# KiCad board Thermal_Camera.kicad_pcb (continued)
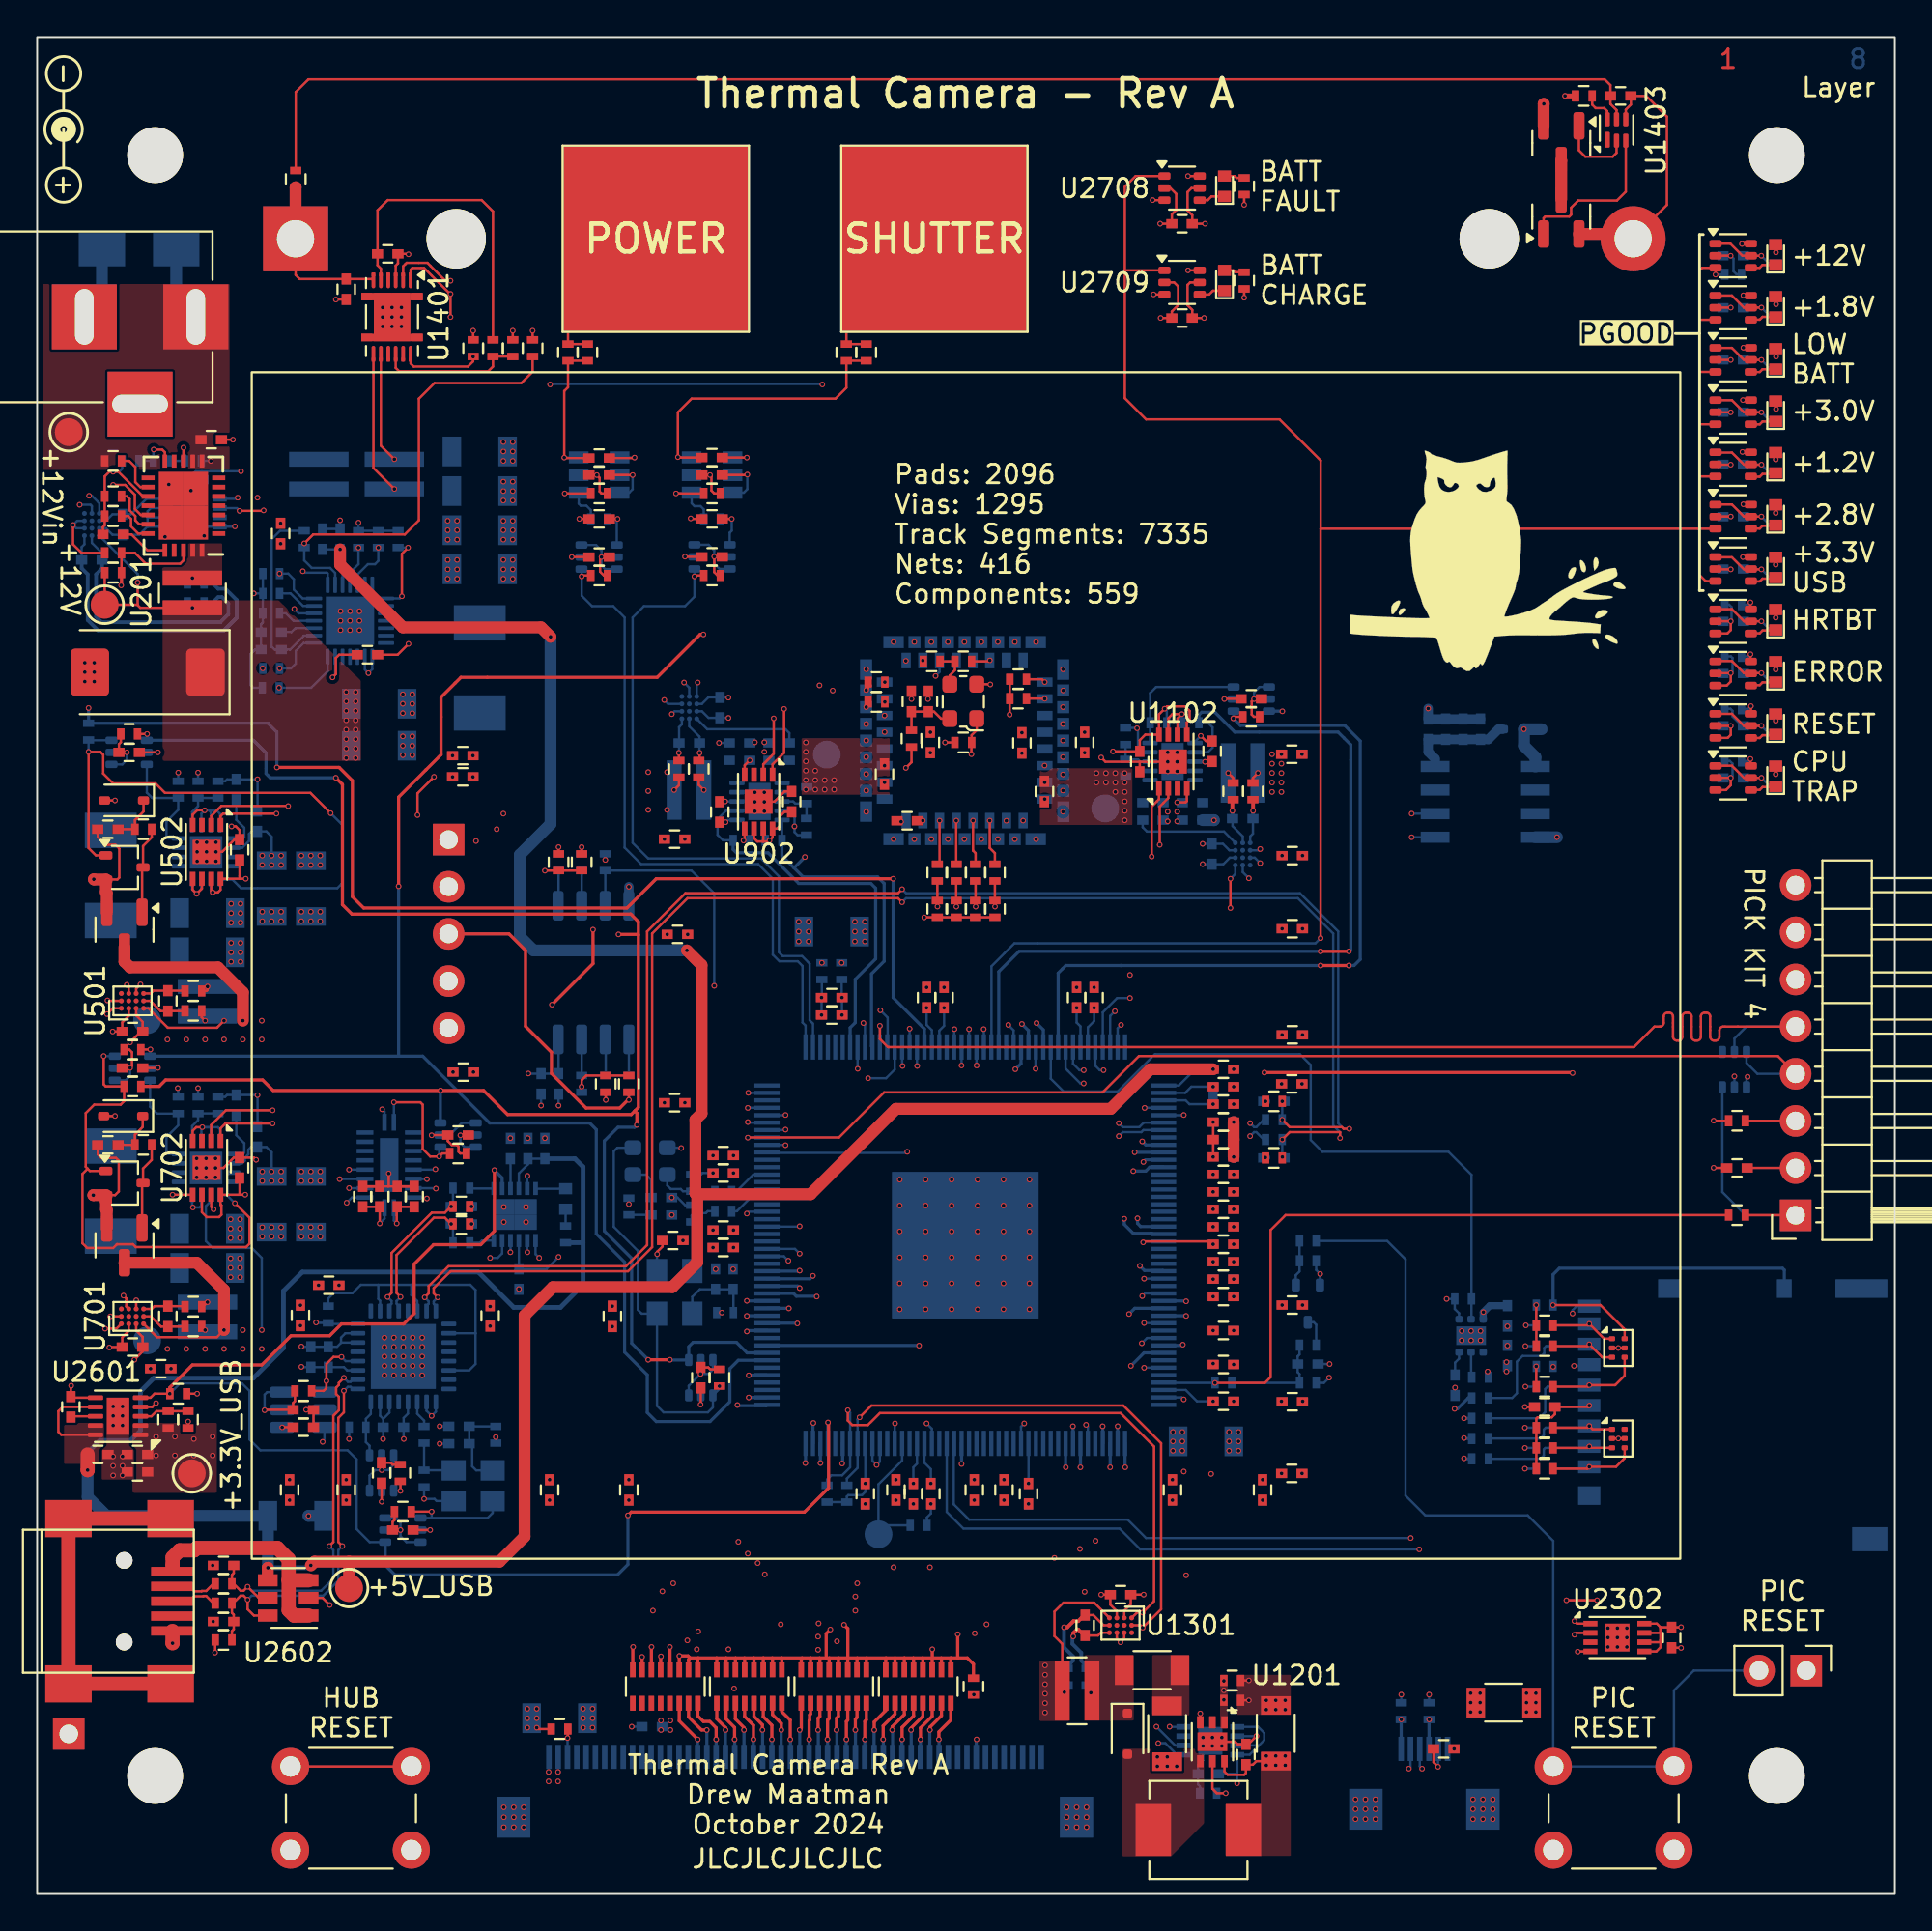
[diagram p0: board, top side]
## Footprints (pads in the part's own frame, mm; a bottom-side part is the same pattern mirrored in y, then rotated) (continued)
SOT-363_SC-70-6
  rrect 0.65x0.4 smd: 1(-0.95,0.65) 2(-0.95,0) 3(-0.95,-0.65) 4(0.95,-0.65) 5(0.95,0) 6(0.95,0.65)
SOT-886
  rrect 0.33x0.27 smd: 1(-0.34,0.5) 2(-0.34,0) 3(-0.34,-0.5) 4(0.34,-0.5) 5(0.34,0) 6(0.34,0.5)
SW_PUSH_6mm
  round 2 hole 1.1: 1(0,0) 1(6.5,0) 2(0,-4.5) 2(6.5,-4.5)
Test_Point
  round 1.5 smd: 1(0,0)
Texas_DSBGA-12_1.65x1.39mm_Layout3x4_P0.4mm
  rect 0.3x0.3 smd: (-0.4,0.6) (-0.4,0.2) (-0.4,-0.2) (-0.4,-0.6) (0,0.6) (0,0.2) (0,-0.2) (0,-0.6) (0.4,0.6) (0.4,0.2) (0.4,-0.2) (0.4,-0.6)
  round 0.265 smd: A1(-0.4,0.6) A2(0,0.6) A3(0.4,0.6) B1(-0.4,0.2) B2(0,0.2) B3(0.4,0.2) C1(-0.4,-0.2) C2(0,-0.2) C3(0.4,-0.2) D1(-0.4,-0.6) D2(0,-0.6) D3(0.4,-0.6)
Texas_S-PDSO-N10_EP1.2x2mm
  rrect 0.48x0.81 smd: (-0.3,0.5) (-0.3,-0.5) (0.3,0.5) (0.3,-0.5)
  rrect 0.825x0.25 smd: 1(-1.212,1) 2(-1.212,0.5) 3(-1.212,0) 4(-1.212,-0.5) 5(-1.212,-1) 6(1.212,-1) 7(1.212,-0.5) 8(1.212,0) 9(1.212,0.5) 10(1.212,1)
  rect 1.2x2 smd: 11(0,0)
Texas_S-PDSO-N12
  rect 0.2x0.2 smd: 1(-2.3,1) 2(-2.3,0.6) 3(-2.3,0.2) 4(-2.3,-0.2) 5(-2.3,-0.6) 6(-2.3,-1) 7(2.3,-1) 8(2.3,-0.6) 9(2.3,-0.2) 10(2.3,0.2) 11(2.3,0.6) 12(2.3,1)
  oval 0.85x0.2 smd: 1(-1.975,1) 2(-1.975,0.6) 3(-1.975,0.2) 4(-1.975,-0.2) 5(-1.975,-0.6) 6(-1.975,-1) 7(1.975,-1) 8(1.975,-0.6) 9(1.975,-0.2) 10(1.975,0.2) 11(1.975,0.6) 12(1.975,1)
  rect 0.4x0.575 smd: 13(-1.1,1.365) 13(-1.1,-1.365) 13(1.1,1.365) 13(1.1,-1.365)
  rect 0.4x0.675 smd: 13(-1.1,1.312) 13(-1.1,-1.312) 13(1.1,1.312) 13(1.1,-1.312)
  rect 1.3x0.975 smd: 13(-0.65,0.487) 13(-0.65,-0.487) 13(0.65,0.487) 13(0.65,-0.487)
  rect 2.6x1.95 smd: 13(0,0)
USB_Mini-B
  round 0.9 hole 0.9 unplated: (0.2,2.2) (0.2,-2.2)
  rect 2.3x0.5 smd: 1(2.8,1.6) 2(2.8,0.8) 3(2.8,0) 4(2.8,-0.8) 5(2.8,-1.6)
  rect 2.5x2 smd: 6(-2.8,4.45) 6(-2.8,-4.45) 6(2.7,4.45) 6(2.7,-4.45)
VQFN-32-1EP_5x5mm_P0.5mm_EP3.5x3.5mm
  rrect 1.41x1.41 smd: (-0.875,-0.875) (-0.875,0.875) (0.875,-0.875) (0.875,0.875)
  rrect 0.8x0.25 smd: 1(-2.45,1.75) 2(-2.45,1.25) 3(-2.45,0.75) 4(-2.45,0.25) 5(-2.45,-0.25) 6(-2.45,-0.75) 7(-2.45,-1.25) 8(-2.45,-1.75) 17(2.45,-1.75) 18(2.45,-1.25) 19(2.45,-0.75) 20(2.45,-0.25) 21(2.45,0.25) 22(2.45,0.75) 23(2.45,1.25) 24(2.45,1.75)
  rrect 0.25x0.8 smd: 9(-1.75,-2.45) 10(-1.25,-2.45) 11(-0.75,-2.45) 12(-0.25,-2.45) 13(0.25,-2.45) 14(0.75,-2.45) 15(1.25,-2.45) 16(1.75,-2.45) 25(1.75,2.45) 26(1.25,2.45) 27(0.75,2.45) 28(0.25,2.45) 29(-0.25,2.45) 30(-0.75,2.45) 31(-1.25,2.45) 32(-1.75,2.45)
  rect 3.5x3.5 smd: 33(0,0)
WQFN-20-1EP_2.5x4.5mm_P0.5mm_EP1x2.9mm
  rect 0.8x0.8 smd: (0,-0.95) (0,0) (0,0.95)
  rect 0.24x0.9 smd: 1(-0.25,2.3) 10(-0.25,-2.3) 11(0.25,-2.3) 20(0.25,2.3)
  rect 0.9x0.24 smd: 2(-1.3,1.75) 3(-1.3,1.25) 4(-1.3,0.75) 5(-1.3,0.25) 6(-1.3,-0.25) 7(-1.3,-0.75) 8(-1.3,-1.25) 9(-1.3,-1.75) 12(1.3,-1.75) 13(1.3,-1.25) 14(1.3,-0.75) 15(1.3,-0.25) 16(1.3,0.25) 17(1.3,0.75) 18(1.3,1.25) 19(1.3,1.75)
  rect 1x2.9 smd: 21(0,0)
WSON-6-1EP_2x2mm_P0.65mm_EP1x1.6mm
  rrect 0.81x0.64 smd: (0,-0.4) (0,0.4)
  rrect 0.375x0.4 smd: 1(-0.887,0.65) 2(-0.887,0) 3(-0.887,-0.65) 4(0.887,-0.65) 5(0.887,0) 6(0.887,0.65)
  rect 1x1.6 smd: 7(0,0)
WSON-6_1.5x1.5mm_P0.5mm
  rrect 0.85x0.28 smd: 1(-0.525,0.5)
  rrect 0.75x0.28 smd: 2(-0.575,0) 3(-0.575,-0.5) 4(0.575,-0.5) 5(0.575,0) 6(0.575,0.5)

## Nets
+1.2V: C1005.1 C1006.1 C2403.1 R1007.1 TP1001.1 U1002.1 U1002.2 U1101.D1 U2401.7
+1.8V: C1002.1 C1703.1 C1704.1 C1705.1 C1709.1 C1710.1 C1711.1 C1715.1 C1716.1 C1717.1 C1722.1 C1723.1 C1724.1 C1729.1 C1730.1 C1731.1 C1735.1 C1736.1 C1737.1 C1741.1 C1742.1 C1743.1 C1747.1 C1748.1 C1749.1 C1753.1 C1754.1 C1755.1 C1758.1 C1759.1 C1760.1 C3106.2 C3107.2 C3108.2 C3109.2 C3110.2 C3111.2 C3112.2 C3113.2 C3114.2 C3115.2 C3116.2 C3117.1 C3118.1 C3119.1 C3120.1 C3121.1 C3122.1 C3123.1 C3124.1 C3125.1 C3126.1 C3127.1 C3128.1 C3129.1 C3130.1 C3131.1 C3132.1 C3133.1 Q602.3 R606.2 R607.2 R608.1 R1004.2 R1005.1 TP601.1 U602.14 U701.D1 U1701.18 U1701.39 U1701.57 U1701.58 U1701.59 U1701.60 U1701.61 U1701.62 U1701.63 U1701.67 U1701.68 U1701.72 U1701.78 U1701.84 U1701.116
+2.8V: C804.1 C805.1 C2405.1 R806.1 TP801.1 U801.1 U801.2 U901.D1 U2401.19
+3.0V: C302.1 C303.1 C401.1 C502.1 C503.1 C601.1 C702.1 C703.1 C801.1 C902.1 C903.1 C1001.1 C1102.1 C1103.1 C1302.1 C1303.1 C1502.1 C1601.1 C1701.1 C1702.1 C1707.1 C1708.1 C1713.1 C1714.1 C1720.1 C1721.1 C1727.1 C1728.1 C1733.1 C1734.1 C1739.1 C1740.1 C1745.1 C1746.1 C1751.1 C1752.1 C1756.1 C1757.1 C1765.1 C1766.1 C2003.1 C2004.1 C2005.1 C2101.1 C2102.1 C2103.1 C2104.1 C2202.1 C2204.1 C2205.1 C2305.1 C2404.1 C2701.1 C2702.1 C2703.1 C2704.1 C2705.1 C2706.1 C2707.1 C2708.1 C2709.1 C2801.1 C2802.1 C2803.1 C2804.1 C2903.1 C2904.1 C2907.1 C2908.1 D401.2 D601.2 D1501.1 D2301.2 J1501.2 J1502.1 J2101.41 J2101.42 J2102.2 L1601.2 L1602.2 L1701.2 L2401.2 Q402.3 R403.1 R406.2 R407.2 R408.1 R603.1 R801.1 R803.2 R804.1 R1001.1 R1404.1 R1405.1 R1407.1 R1408.1 R1409.1 R1504.1 R1801.1 R1802.1 R2018.1 R2020.1 R2021.1 R2022.1 R2023.1 R2024.1 R2202.1 R2402.1 R2403.1 R2405.1 R2407.1 R2702.1 R2703.1 R2704.1 R2705.1 R2706.1 R2707.1 R2708.1 R2709.1 R2710.1 R2803.1 R2804.1 R2805.1 R2807.1 R2808.1 SW1501.1 TP401.1 U301.B1 U302.8 U401.5 U402.14 U501.B1 U501.B3 U501.D1 U502.7 U502.8 U601.5 U701.B1 U702.6 U702.8 U901.B1 U902.6 U902.7 U902.8 U1001.5 U1101.B1 U1101.C3 U1102.5 U1102.8 U1301.B1 U1301.B3 U1301.C3 U1302.5 U1302.7 U1302.8 U1601.5 U1701.19 U1701.38 U1701.86 U1701.102 U1701.117 U1701.124 U1701.155 U1701.156 U1701.165 U1701.166 U2001.8 U2002.6 U2202.1 U2202.5 U2203.1 U2301.1 U2302.5 U2302.6 U2302.7 U2302.8 U2401.16 U2701.1 U2701.5 U2702.1 U2702.5 U2703.1 U2703.5 U2704.1 U2704.5 U2705.1 U2705.5 U2706.1 U2706.5 U2707.1 U2707.5 U2708.3 U2708.5 U2709.3 U2709.5 U2801.1 U2801.5 U2802.1 U2802.5 U2803.1 U2803.5 U2804.1 U2804.5 U2901.5 U2901.6 U2902.5 U2902.6 U2903.5 U2904.5
+3.0V_SD: C2001.1 C2002.1 C2007.1 J2001.4 R2011.1 R2012.1 R2013.1 R2014.1 R2015.1 R2016.1 R2017.1 R2019.1 R2030.1 U2002.1
+3.0VA_MZ: C1761.1 C1762.1 C1763.1 C1764.1 L1701.1 U1701.3 U1701.4
+3.3V_USB: C2201.1 C2210.1 C2211.1 C2502.1 C2503.1 C2506.1 C2507.1 C2508.1 C2509.1 C2603.1 C2605.1 L2501.2 R2504.1 R2507.1 R2601.1 R2604.1 R2606.1 TP2601.1 U2201.9 U2203.20 U2501.5 U2502.5 U2502.6 U2503.5 U2504.3 U2504.8 U2504.25 U2504.26 U2504.30 U2504.31 U2601.1 U2601.2
+3.3V_USB_MZ: C1718.1 C1725.1 C1732.1 C1738.1 U1701.46 U1701.47
+5V_USB: C1403.1 C1406.1 C1744.1 C1750.1 C2203.1 C2206.1 C2601.1 C2607.1 R2201.1 TP2602.1 U1402.17 U1701.45 U2201.4 U2601.7 U2601.9 U2601.10 U2602.4
+12V: C203.1 C1402.1 C1404.1 R207.2 R208.1 R210.2 TP203.1 U301.D1 U1402.3 U1402.4 U1402.5
+12Vin: C202.1 D201.1 J201.1 R201.1 R204.1 TP202.1 U201.8 U201.9
GND: C202.2 C203.2 C302.2 C303.2 C401.2 C402.2 C403.2 C404.2 C405.2 C406.2 C407.2 C408.2 C502.2 C503.2 C601.2 C602.2 C603.2 C604.2 C605.2 C606.2 C607.2 C608.2 C702.2 C703.2 C801.2 C802.2 C803.2 C804.2 C805.2 C902.2 C903.2 C1001.2 C1002.2 C1003.2 C1004.2 C1005.2 C1006.2 C1102.2 C1103.2 C1201.2 C1202.2 C1204.2 C1302.2 C1303.2 C1401.2 C1402.2 C1403.2 C1404.2 C1406.2 C1407.2 C1408.2 C1409.2 C1410.2 C1411.2 C1412.2 C1413.2 C1501.2 C1502.2 C1601.2 C1602.2 C1603.2 C1604.2 C1605.2 C1701.2 C1702.2 C1703.2 C1704.2 C1705.2 C1706.2 C1707.2 C1708.2 C1709.2 C1710.2 C1711.2 C1712.2 C1713.2 C1714.2 C1715.2 C1716.2 C1717.2 C1718.2 C1719.2 C1720.2 C1721.2 C1722.2 C1723.2 C1724.2 C1725.2 C1726.2 C1727.2 C1728.2 C1729.2 C1730.2 C1731.2 C1732.2 C1733.2 C1734.2 C1735.2 C1736.2 C1737.2 C1738.2 C1739.2 C1740.2 C1741.2 C1742.2 C1743.2 C1744.2 C1745.2 C1746.2 C1747.2 C1748.2 C1749.2 C1750.2 C1751.2 C1752.2 C1753.2 C1754.2 C1755.2 C1756.2 C1757.2 C1758.2 C1759.2 C1760.2 C1765.2 C1766.2 C2001.2 C2002.2 C2003.2 C2004.2 C2005.2 C2006.2 C2007.2 C2101.2 C2102.2 C2103.2 C2104.2 C2201.2 C2202.2 C2203.2 C2204.2 C2205.2 C2206.2 C2207.2 C2208.2 C2209.2 C2210.2 C2211.2 C2301.2 C2302.2 C2303.2 C2304.2 C2305.2 C2401.2 C2402.2 C2403.2 C2404.2 C2405.2 C2501.2 C2502.2 C2503.2 C2504.2 C2505.2 C2506.2 C2507.2 C2508.2 C2509.2 C2601.2 C2602.2 C2603.2 C2604.2 C2605.2 C2606.2 C2607.2 C2701.2 C2702.2 C2703.2 C2704.2 C2705.2 C2706.2 C2707.2 C2708.2 C2709.2 C2801.2 C2802.2 C2803.2 C2804.2 C2903.2 C2904.2 C2905.2 C2906.2 C2907.2 C2908.2 C3101.2 C3102.2 C3103.2 C3104.2 C3105.2 C3117.2 C3118.2 C3119.2 C3120.2 C3121.2 C3122.2 C3123.2 C3124.2 C3125.2 C3126.2 C3127.2 C3128.2 C3129.2 C3130.2 C3131.2 C3132.2 C3133.2 D201.2 D1501.2 D2001.2 D2001.5 D2002.2 D2002.5 J201.2 J201.3 J2001.6 J2001.9 J2002.5 J2101.53 J2101.54 J2101.S1 J2101.S2 J2102.1 J2102.S1 J2102.S2 J2601.5 L1502.2 L1702.2 Q401.2 Q402.2 Q601.2 Q602.2 Q1402.2 Q1501.2 R209.2 R402.2 R409.2 R602.2 R609.2 R802.2 R807.2 R1002.2 R1003.2 R1008.2 R1201.1 R1202.2 R1203.2 R1401.2 R1403.2 R1406.2 R1411.2 R1414.2 R1502.2 R1601.2 R1602.2 R1603.2 R1604.2 R1703.2 R1704.2 R2029.2 R2101.2 R2102.2 R2103.2 R2104.2 R2205.2 R2206.2 R2401.2 R2404.2 R2406.2 R2408.2 R2409.2 R2502.2 R2503.2 R2505.2 R2506.2 R2605.2 R2701.2 R2801.2 R2802.2 R2806.2 R2905.2 R2906.2 R2909.2 R2910.2 RN2101.1 RN2101.2 RN2101.3 RN2101.4 RN2101.5 RN2101.6 RN2101.7 RN2101.8 RN2102.1 RN2102.2 RN2102.3 RN2102.4 RN2102.5 RN2102.6 RN2102.7 RN2102.8 RN2103.1 RN2103.2 RN2103.3 RN2103.4 RN2103.5 RN2103.6 RN2103.7 RN2103.8 RN2104.1 RN2104.2 RN2104.3 RN2104.4 RN2104.5 RN2104.6 RN2104.7 RN2104.8 SW2501.1 TH1401.2 TH1402.2 TP201.1 U201.17 U301.B3 U301.C1 U301.C3 U302.4 U302.5 U302.6 U302.7 U302.9 U401.1 U401.2 U402.6 U402.7 U402.8 U402.15 U402.16 U402.17 U501.C1 U501.C3 U502.4 U502.5 U502.6 U502.9 U601.1 U601.2 U602.6 U602.7 U602.8 U602.15 U602.16 U602.17 U701.C1 U701.C3 U702.4 U702.5 U702.7 U702.9 U801.4 U801.6 U801.11 U901.C1 U901.C3 U902.4 U902.5 U902.9 U1001.1 U1001.2 U1002.4 U1002.6 U1002.11 U1101.B3 U1101.C1 U1102.4 U1102.6 U1102.7 U1102.9 U1201.3 U1201.7 U1301.C1 U1302.4 U1302.6 U1302.9 U1401.3 U1401.13 U1402.1 U1402.2 U1402.12 U1402.29 U1601.2 U1601.3 U1601.6 U1701.21 U1701.22 U1701.29 U1701.37 U1701.48 U1701.49 U1701.83 U1701.87 U1701.94 U1701.103 U1701.115 U1701.122 U1701.123 U1701.153 U1701.154 U1701.177 U2001.4 U2002.4 U2002.7 U2201.5 U2201.13 U2202.2 U2202.3 U2203.10 U2301.4 U2302.4 U2302.9 U2401.1 U2401.6 U2401.8 U2401.9 U2401.10 U2401.15 U2401.18 U2401.25 U2401.27 U2401.30 U2401.P1 U2401.P2 U2401.P3 U2401.P4 U2401.P5 U2401.P6 U2401.P7 U2401.P8 U2401.P9 U2401.P10 U2401.P11 U2401.P12 U2401.P13 U2401.P14 U2401.P15 U2401.P16 U2401.P17 U2401.P18 U2401.P19 U2401.P20 U2401.P21 U2401.P22 U2401.P23 U2401.P24 U2401.P25 U2401.P26 U2401.P27 U2401.P28 U2401.P29 U2401.P30 U2401.P31 U2401.P32 U2401.P33 U2401.P34 U2401.P35 U2401.P36 U2501.2 U2501.3 U2501.6 U2502.2 U2503.2 U2503.3 U2503.6 U2504.6 U2504.7 U2504.28 U2504.33 U2601.4 U2601.6 U2601.11 U2602.2 U2701.2 U2702.2 U2703.2 U2704.2 U2705.2 U2706.2 U2707.2 U2708.2 U2709.2 U2801.2 U2801.3 U2802.2 U2802.3 U2803.2 U2803.3 U2804.2 U2804.3 U2901.2 U2902.2 U2903.2 U2903.3 U2903.6 U2904.2 U2904.3 U2904.6 X1601.2 X1602.2 X2401.2 X2501.2
GNDA_MZ: C1761.2 C1762.2 C1763.2 C1764.2 L1702.1 U1701.5 U1701.6
VBAT: C1401.1 J1401.1 R1412.2 R1413.2 R1415.2 U1401.6 U1401.8
/Upstream USB Port/UFP_USB_CONN_USB+: J2601.3 R2602.1
/Upstream USB Port/UFP_USB_CONN_USB-: J2601.2 R2603.1
/USB UART/BRIDGE_USB+: R2203.2 U2201.12
/USB UART/BRIDGE_USB-: R2204.2 U2201.1
BACKLIGHT_ANODE: J2101.3 J2101.4 R1205.2 R1206.2 U1301.D1
BACKLIGHT_CATHODE: J2101.1 J2101.2 R1202.1 R1203.1 U1201.1
BACKLIGHT_PWM: R1201.2 U1201.5 U1701.167
BATT_IUSB: R1403.1 U1402.7 U1701.24
BATT_LOWBAT: R1407.2 U1401.12 U1701.25 U2703.6
BATT_SNS-: C1410.1 C1413.1 R1412.1 R1413.1 U1401.7 U1402.20 U1402.21
BRIDGE_USB_D+: C2208.1 R2203.1 R2205.1 U2504.12
BRIDGE_USB_D-: C2209.1 R2204.1 R2206.1 U2504.11
Cap_Touch_Power: R2909.1 U1701.2 U2903.4
Cap_Touch_Shutter: R2910.1 U1701.1 U2904.4
CHASSIS: J2601.6
CPU_Trap_LED: R2806.1 U1701.41 U2804.6
Error_LED: R2802.1 U1701.42 U2802.6
FLASH_SPI_MISO: J2002.4 R2021.2 R2028.2 U1701.168
FLASH_SPI_MOSI: J2002.3 R2022.2 R2027.2 U1701.173
FLASH_SPI_SCK: J2002.2 R2023.2 R2026.2 U1701.159
FLIR_CLK: R2415.2 U2401.26
FLIR_CLK_EN: R2401.1 U1701.12 X2401.1
FLIR_VOSPI_CLK: R2403.2 R2412.2 U1701.77
FLIR_VOSPI_MISO: R2405.2 R2411.2 U1701.120
FLIR_VOSPI_MOSI: R2407.2 R2410.2 U1701.71
FLIR_VOSPI_VSYNC: R2404.1 R2414.2 U1701.79
GLCD_B0: J2101.12 RN2101.16 U1701.89
GLCD_B1: J2101.13 RN2101.15 U1701.97
GLCD_B2: J2101.14 RN2101.14 U1701.146
GLCD_B3: J2101.15 RN2101.13 U1701.130
GLCD_B4: J2101.16 RN2101.12 U1701.151
GLCD_B5: J2101.17 RN2101.11 U1701.92
GLCD_B6: J2101.18 RN2101.10 U1701.81
GLCD_B7: J2101.19 RN2101.9 U1701.137
GLCD_G0: J2101.20 RN2102.16 U1701.143
GLCD_G1: J2101.21 RN2102.15 U1701.145
GLCD_G2: J2101.22 RN2102.14 U1701.74
GLCD_G3: J2101.23 RN2102.13 U1701.75
GLCD_G4: J2101.24 RN2102.12 U1701.134
GLCD_G5: J2101.25 RN2102.11 U1701.133
GLCD_G6: J2101.26 RN2102.10 U1701.132
GLCD_G7: J2101.27 RN2102.9 U1701.131
GLCD_GCLK: J2101.38 RN2104.14 U1701.148
GLCD_GEN: J2101.52 R2104.1 U1701.147
GLCD_HSYNC: J2101.36 RN2104.16 U1701.149
GLCD_R0: J2101.28 RN2103.16 U1701.144
GLCD_R1: J2101.29 RN2103.15 U1701.127
GLCD_R2: J2101.30 RN2103.14 U1701.76
GLCD_R3: J2101.31 RN2103.13 U1701.96
GLCD_R4: J2101.32 RN2103.12 U1701.95
GLCD_R5: J2101.33 RN2103.11 U1701.90
GLCD_R6: J2101.34 RN2103.10 U1701.91
GLCD_R7: J2101.35 RN2103.9 U1701.80
GLCD_VSYNC: J2101.37 RN2104.15 U1701.150
Heartbeat_LED: R2801.1 U1701.16 U2801.6
HUB_48MHCLK: R2501.2 U2504.27
HUB_CLK_EN: R2503.1 U2501.4 X2501.1
HUB_SUSPND: R2505.1 U1402.15 U2503.4
I2C_SCL: J2102.5 R1801.2 U301.A1 U302.2 U501.A1 U502.2 U701.A1 U702.2 U901.A1 U901.B3 U902.2 U1101.A1 U1102.2 U1301.A1 U1302.2 U1401.2 U1701.126 U2301.5 U2302.2 U2401.21
I2C_SDA: J2102.4 R1802.2 U301.A2 U302.1 U501.A2 U502.1 U701.A2 U701.B3 U702.1 U901.A2 U902.1 U1101.A2 U1102.1 U1301.A2 U1302.1 U1401.1 U1701.125 U2301.6 U2302.1 U2401.22
LCD _CTP_RESET: J2102.6 R2102.1 U1701.112
LCD_CTP_INT: J2102.3 R2101.1 U1701.113
LCD_ENABLE: J2101.8 R2103.1 U1701.111
PGOOD_LED_SHDN: R2701.1 U1701.26 U2701.3 U2702.3 U2703.3 U2704.3 U2705.3 U2706.3 U2707.3 U2708.1 U2709.1
PIC32MZ_CLK_EN: R1602.1 U1601.4 X1601.1 X1602.1
PIC32MZ_ICSPCLK: D1501.5 J1501.5 U1701.11
PIC32MZ_ICSPDAT: D1501.6 J1501.4 U1701.169
PIC32MZ_POSC_EC: R1605.2 U1701.164
PIC32MZ_REFCLK1: R1601.1 TP1601.1 U1701.119
PIC32MZ_SOSC_EC: R1606.2 U1701.161
PIC_USB_D+: R1701.2 U1701.51
PIC_USB_D-: R1702.2 U1701.50
PIC_USBHS_D+: C1719.1 R1701.1 R1703.1 U2504.16
PIC_USBHS_D-: C1726.1 R1702.1 R1704.1 U2504.15
POS1P2_PGOOD: R1003.1 U1001.4 U1701.35 U2705.6
POS1P2_PGOOD_VREG: R1001.2 U1001.6 U1002.5
POS1P2_RUN: R1002.1 U1002.7 U1701.27
POS1P2_SNS+: C1101.1 R1004.1 U1101.D3
POS1P2_SNS-: C1101.2 R1006.1 U1101.D2
POS1P8_PGOOD: R602.1 U601.4 U1001.3 U1701.139 U2702.6
POS1P8_RUN: Q601.1 R601.2 U601.3 U602.13
POS1P8_SNS+: C701.1 R605.1 U701.D3
POS1P8_SNS-: C701.2 R607.1 U701.D2
POS2P8_PGOOD: R801.2 U801.5 U1701.10 U2706.6
POS2P8_RUN: R802.1 U801.7 U1701.7
POS2P8_SNS+: C901.1 R803.1 U901.D3
POS2P8_SNS-: C901.2 R805.1 U901.D2
POS3P0_PGOOD: R402.1 R601.1 U401.4 U1601.1 U1701.140 U2202.6 U2704.6
POS3P0_RUN: Q401.1 R401.2 U401.3 U402.13
POS3P0_SNS+: C501.1 R405.1 U501.D3
POS3P0_SNS-: C501.2 R407.1 U501.D2
POS3P3_USB_PGOOD: R2601.2 U1701.129 U2201.2 U2501.1 U2601.5 U2707.6
POS12_PGOOD: R208.2 R209.1 R401.1 U201.22 U1701.17 U2701.6
POS12_SNS+: C301.1 R205.1 U301.D3
POS12_SNS-: C301.2 R210.1 U301.D2
Reset_LED: R2805.2 U1701.43 U2803.6
SD_PWR_EN: R2029.1 U1701.34 U2002.5
SD_SPI_MISO: R2010.2 U1701.31
SD_SPI_MOSI: R2009.2 U1701.32
SD_SPI_SCK: R2008.2 U1701.30
SDHC_SDCK: R2004.2 U1701.54
SDHC_SDCMD: R2003.2 U1701.70
SDHC_SDDATA0: R2005.2 U1701.64
SDHC_SDDATA1: R2006.2 U1701.56
SDHC_SDDATA2: R2001.2 U1701.65
SDHC_SDDATA3: R2002.2 U1701.55
UFP_USB_D+: C2604.1 R2602.2 R2606.2 U2504.1 U2602.6
UFP_USB_D-: C2606.1 R2603.2 U2504.2 U2602.5
USB_UART_RX: U1701.13 U2203.2
USB_UART_RX_BUF: U2201.7 U2203.19
USB_UART_TX: U1701.8 U2203.3
USB_UART_TX_BUF: U2201.10 U2203.18
VCOM: C402.1 C404.1 C406.1 C602.1 C604.1 C606.1 C1201.1 C1202.1 C1409.1 C1412.1 C3101.1 C3102.1 C3103.1 C3104.1 C3105.1 C3106.1 C3107.1 C3108.1 C3109.1 C3110.1 C3111.1 C3112.1 C3113.1 C3114.1 C3115.1 C3116.1 L1201.1 U402.10 U402.11 U402.12 U602.10 U602.11 U602.12 U1201.6 U1402.23 U1402.24
VLED_SNS+: C1301.1 R1204.1 U1301.D3
VLED_SNS-: C1301.2 R1206.1 U1301.D2
VMEM_REF: C1706.1 C1712.1 U1701.66
~{BATT_CEN}: R1401.1 U1402.14 U1701.23
~{BATT_CHG}: R1409.2 U1402.22 U1701.14 U2709.6
~{BATT_DOK}: R1408.2 U1402.8 U1701.15
~{BATT_FLT}: R1404.2 U1402.18 U1701.40 U2708.6
~{BATT_UOK}: R1405.2 U1402.19 U1701.36
~{FLASH_SPI_CS}: J2002.1 R2024.2 R2025.2 U1701.175
~{FLASH_SPI_WP}: R2020.2 U1701.171 U2001.3
~{FLIR_PWR_DWN}: R2406.1 U1701.9 U2401.23
~{FLIR_RESET}: R2408.1 U1701.157 U2401.24
~{FLIR_VOSPI_CS}: R2402.2 R2413.2 U1701.73
~{HUB_RESET}: R2504.2 U2502.1 U2504.4
~{PIC32MZ_MCLR}: L1501.1 R1505.1 U1701.85
~{SD_SPI_CS}: R2007.2 U1701.33
~{SDHC_SDCD}: D2001.6 J2001.10 R2012.2 U1701.53
~{SDHC_SDWP}: R2011.2 U1701.141
~{USB_ACTIVE}: D2201.1 U2201.6
~{USB_UART_CTS_BUF}: U2201.11 U2203.16
~{USB_UART_CTS}: U1701.170 U2203.5
~{USB_UART_RTS_BUF}: U2201.8 U2203.17
~{USB_UART_RTS}: U1701.172 U2203.4
Net-(C407-Pad1): C407.1 C408.1 L401.2 R405.2 R406.1
Net-(C607-Pad1): C607.1 C608.1 L601.2 R605.2 R606.1
Net-(C802-Pad1): C802.1 R804.2 R805.2 U801.9 U801.10
Net-(C1003-Pad1): C1003.1 R1005.2 R1006.2 U1002.9 U1002.10
Net-(C1203-Pad2): C1203.2 C1204.1
Net-(C1405-Pad2): C1405.2 L1401.2 U1402.27 U1402.28
Net-(C1501-Pad1): C1501.1 R1503.2 R1504.2 R1505.2
Net-(C2905-Pad1): C2905.1 R2907.1 U2903.1
Net-(C2906-Pad1): C2906.1 R2908.1 U2904.1
Net-(D401-K): C403.1 D401.1 R404.1
Net-(D601-K): C603.1 D601.1 R604.1
Net-(D1201-A): D1201.2 L1201.2 U1201.4
Net-(D1201-K): C1203.1 D1201.1 R1204.2 R1205.1
Net-(D1501B-K2): D1501.3 J1501.1 L1501.2
Net-(D2001A-K1): D2001.1 J2001.8 R2006.1 R2013.2
Net-(D2001B-K2): D2001.3 J2001.7 R2005.1 R2010.1 R2014.2
Net-(D2001C-K3): D2001.4 J2001.5 R2004.1 R2008.1 R2015.2
Net-(D2002A-K1): D2002.1 J2001.3 R2003.1 R2009.1 R2016.2
Net-(D2002B-K2): D2002.3 J2001.2 R2002.1 R2007.1 R2017.2
Net-(D2002C-K3): D2002.4 J2001.1 R2001.1 R2019.2
Net-(D2201-A): D2201.2 R2201.2
Net-(D2301-K): C2301.1 C2302.1 C2303.1 C2304.1 D2301.1 U2301.8
Net-(D2701-A): D2701.2 R2702.2
Net-(D2701-K): D2701.1 U2701.4
Net-(D2702-A): D2702.2 R2703.2
Net-(D2702-K): D2702.1 U2702.4
Net-(D2703-A): D2703.2 R2704.2
Net-(D2703-K): D2703.1 U2703.4
Net-(D2704-A): D2704.2 R2705.2
Net-(D2704-K): D2704.1 U2704.4
Net-(D2705-A): D2705.2 R2706.2
Net-(D2705-K): D2705.1 U2705.4
Net-(D2706-A): D2706.2 R2707.2
Net-(D2706-K): D2706.1 U2706.4
Net-(D2707-A): D2707.2 R2708.2
Net-(D2707-K): D2707.1 U2707.4
Net-(D2708-A): D2708.2 R2709.2
Net-(D2708-K): D2708.1 U2708.4
Net-(D2709-A): D2709.2 R2710.2
Net-(D2709-K): D2709.1 U2709.4
Net-(D2801-A): D2801.2 R2803.2
Net-(D2801-K): D2801.1 U2801.4
Net-(D2802-A): D2802.2 R2804.2
Net-(D2802-K): D2802.1 U2802.4
Net-(D2803-A): D2803.2 R2807.2
Net-(D2803-K): D2803.1 U2803.4
Net-(D2804-A): D2804.2 R2808.2
Net-(D2804-K): D2804.1 U2804.4
Net-(J1401--): C1414.1 J1401.2 Q1401.2 U1403.4
Net-(J1501-Pin_3): J1501.3 L1502.1
Net-(J1502-Pin_2): J1502.2 R1501.1 SW1501.2
Net-(J2601-VBUS): J2601.1 U2602.1 U2602.3
Net-(L401-Pad1): L401.1 U402.1 U402.2 U402.3
Net-(L601-Pad1): L601.1 U602.1 U602.2 U602.3
Net-(L1401-Pad1): L1401.1 U1402.25 U1402.26
Net-(Q401-D): Q401.3 Q402.1 R404.2
Net-(Q601-D): Q601.3 Q602.1 R604.2
Net-(Q1401-D): Q1401.3 Q1402.3
Net-(Q1401-G): Q1401.1 U1403.3
Net-(Q1402-G): Q1402.1 U1403.2
Net-(Q1501-D): Q1501.3 R1503.1
Net-(Q1501-G): Q1501.1 R1501.2 R1502.1
Net-(R205-Pad2): R205.2 R207.1 U201.23 U201.24
Net-(SW2901-TP): R2901.1 R2902.1 SW2901.1
Net-(SW2902-TP): R2903.1 R2904.1 SW2902.1
Net-(U201-dVdT): C201.1 U201.20
Net-(U201-ILIM): R206.1 U201.19
Net-(U201-IMON): R211.1 U201.18
Net-(U201-OVP): R202.2 R203.1 U201.12
Net-(U201-RTN): C201.2 R203.2 R206.2 R211.2 U201.15 U201.25
Net-(U201-UVLO): R201.2 R202.1 U201.10
Net-(U201-~{SHDN}): R204.2 U201.14
Net-(U402-FB): R408.2 R409.1 U402.5
Net-(U402-PG): R403.2 U401.6 U402.4
Net-(U402-SS/TR): C405.1 U402.9
Net-(U602-FB): R608.2 R609.1 U602.5
Net-(U602-PG): R603.2 U601.6 U602.4
Net-(U602-SS/TR): C605.1 U602.9
Net-(U801-FB): R806.2 R807.1 U801.3
Net-(U801-NR/SS): C803.1 U801.8
Net-(U1002-FB): R1007.2 R1008.1 U1002.3
Net-(U1002-NR/SS): C1004.1 U1002.8
Net-(U1401-BIN): R1402.2 TH1401.1 U1401.10
Net-(U1401-V_{DD}): C1408.1 R1402.1 U1401.5
Net-(U1402-BST): C1405.1 U1402.6
Net-(U1402-CT): C1407.1 U1402.10
Net-(U1402-IDC): R1406.1 U1402.11
Net-(U1402-ISET): R1411.1 U1402.13
Net-(U1402-THM): R1410.2 TH1402.1 U1402.16
Net-(U1402-VL): C1411.1 R1410.1 U1402.9
Net-(U1403-BAT): C1414.2 R1415.1 U1403.5
Net-(U1403-V-): R1414.1 U1403.6
Net-(U2001-SCK): R2026.1 U2001.6
Net-(U2001-SI): R2027.1 U2001.5
Net-(U2001-SO): R2028.1 U2001.2
Net-(U2001-~{CE}): R2025.1 U2001.1
Net-(U2001-~{HOLD}): R2018.2 U2001.7
Net-(U2002-CT): C2006.1 U2002.3
Net-(U2002-QOD): R2030.2 U2002.2
Net-(U2201-3V3OUT): C2207.1 U2201.3
Net-(U2203-~{OE}): R2202.2 U2202.4 U2203.11
Net-(U2401-GPIO3): R2414.1 U2401.2
Net-(U2401-SPI_CLK): R2412.1 U2401.13
Net-(U2401-SPI_MISO): R2411.1 U2401.12
Net-(U2401-SPI_MOSI): R2410.1 U2401.11
Net-(U2401-~{SPI_CS}): R2413.1 U2401.14
Net-(U2502-CT): C2501.1 U2502.4
Net-(U2502-~{MR}): SW2501.2 U2502.3
Net-(U2504-SUSPND): R2506.1 U2503.1 U2504.32
Net-(U2504-~{OVRCUR1}): R2507.2 U2504.10 U2504.14 U2504.18 U2504.22
Net-(U2601-FB): R2604.2 R2605.1 U2601.3
Net-(U2601-NR/SS): C2602.1 U2601.8
Net-(U2901-OUT): R2905.1 R2907.2 U2901.1
Net-(U2901-SNS): C2901.1 U2901.4
Net-(U2901-SNSK): C2901.2 R2901.2 R2902.2 U2901.3
Net-(U2902-OUT): R2906.1 R2908.2 U2902.1
Net-(U2902-SNS): C2902.1 U2902.4
Net-(U2902-SNSK): C2902.2 R2903.2 R2904.2 U2902.3
Net-(X1601-OUT): R1603.1 R1605.1 X1601.3
Net-(X1601-VDD): C1602.1 C1604.1 L1601.1 X1601.4
Net-(X1602-OUT): R1604.1 R1606.1 X1602.3
Net-(X1602-Vdd): C1603.1 C1605.1 L1602.1 X1602.4
Net-(X2401-OUT): R2409.1 R2415.1 X2401.3
Net-(X2401-VDD): C2401.1 C2402.1 L2401.1 X2401.4
Net-(X2501-OUT): R2501.1 R2502.1 X2501.3
Net-(X2501-Vdd): C2504.1 C2505.1 L2501.1 X2501.4

Pads without a net: D1501 4; D2002 6; J1501 6 7 8; J2001 11; J2101 5 6 7 9 10 11 39 40 43 44 45 46 47 48 49 50 51; J2601 4; RN2104 9 10 11 12 13; U201 1 2 3 4 5 6 7 11 13 16 21; U301 A3 B2 C2; U302 3; U501 A3 B2 C2; U502 3; U701 A3 B2 C2; U702 3; U901 A3 B2 C2; U902 3; U1101 A3 B2 C2; U1102 3; U1201 2; U1301 A3 B2 C2; U1302 3; U1401 4 9 11; U1403 1; U1701 20 28 44 52 69 82 88 93 98 99 100 101 104 105 106 107 108 109 110 114 118 121 128 135 136 138 142 152 158 160 162 163 174 176; U2203 6 7 8 9 12 13 14 15 21; U2301 2 3 7; U2302 3; U2401 3 4 5 17 20 28 29 31 32; U2504 5 9 13 17 19 20 21 23 24 29

## Via types
v1: diameter 0.3, hole 0.2, Top to Bottom, 1295 vias

## Routing (per net, layer and track width the routed paths; a pad name or vN(x,y) marks a point on that pad's centre or on a via; arc(x,y) is an arc through that point)
+1.2V: length 5.8
  Top w0.127: v1(54.24,59.86) 54.22,59.88 C2403.1
  Bottom w0.127: C1006.1 59.51,57.44 59.74,57.21 63.89,57.21 U1101.D1
  vias: v1(57.02,60.36) v1(57.02,59.86) v1(57.53,60.36) v1(57.53,59.86) v1(58.04,60.36) v1(58.04,59.86) v1(58.04,59.35) v1(58.55,60.36) v1(58.55,59.86) v1(58.55,59.35) v1(58.55,58.84) v1(58.55,58.33) v1(58.55,57.82)
+1.8V: length 61.4
  Top w0.127: v1(63.31,41.57) C1741.1 v1(63.31,39.69) ; R1004.2 65.45,60.1 v1(65.71,60.37) ; 8.86,30.55 v1(9.04,30.37) ; v1(10.06,30.37) 9.68,29.98 6.45,29.98 U701.D1
  Top w0.635: v1(10.06,30.37) 10.06,32.52 8.59,33.99 Q602.3
  In2.Cu w0.127: v1(8.66,43.4) 8.13,43.93 1.22,43.93 0.66,43.37 0.66,30.85 1.55,29.96 6.4,29.96 v1(7.01,29.35)
  Bottom w0.127: v1(56.9,47.72) 56.9,47 56.56,46.67 U1701.39 ; U1701.116 47.76,23.22 48.11,22.87 v1(48.11,22.1) ; v1(12.09,30.37) 12.09,34.25 11.56,34.79 9.45,34.79 9.08,35.15 9.08,37.04 9.34,37.3 U602.14 ; U1701.18 48.16,46.52 47.88,46.8 v1(47.88,47.72) ; R608.1 v1(8.66,43.4)
  Bottom w0.635: v1(63.35,57.82) 63.34,57.83 C1002.1
  vias: v1(7.2,28.28) v1(8.03,29.35) v1(9.04,29.35) v1(10.06,29.35) v1(11.07,30.37) v1(11.07,29.35) v1(12.09,29.35) v1(13.59,22.31) v1(14.17,30.6) v1(16.64,22.31) v1(24.38,30.58) v1(27.58,22.31) v1(30.96,30.55) v1(31.85,22.31) v1(34.76,35.19) v1(34.87,56.81) v1(34.87,42.61) v1(35.02,51.68) v1(46.23,22.31) v1(48.08,61.46) v1(50.44,22.31) v1(52.04,22.31) v1(53.01,61.44) v1(56.39,61.46) v1(61.11,22.31) v1(63.31,38.75) v1(63.31,37.81) v1(63.31,36.87) v1(63.31,35.93) v1(63.31,34.05) v1(63.31,33.11) v1(63.31,32.17) v1(63.31,30.34) v1(63.31,28.56) v1(65.96,22.31) v1(66.47,61.38) v1(66.47,60.87) v1(66.47,60.37) v1(66.47,59.86) v1(66.47,59.35) v1(66.98,61.38) v1(66.98,60.87) v1(66.98,60.36) v1(66.98,59.86) v1(66.98,59.35) v1(66.98,26.53) v1(67.01,55.92) v1(67.01,51.98) v1(67.01,46.27) v1(66.99,43.62) v1(67.01,31.71) v1(66.99,22.64)
+2.8V: length 5.9
  Top w0.127: C2405.1 45.61,60.77 v1(45.62,60.76)
  Bottom w0.127: U901.D1 36.07,62.73 40.28,62.73 40.49,62.52 C805.1
  vias: v1(41.38,62.01) v1(41.38,61.51) v1(41.38,61) v1(41.38,60.49) v1(41.38,59.98) v1(41.38,59.47) v1(41.88,60.49) v1(41.88,59.98) v1(41.88,59.47) v1(42.39,59.98) v1(42.39,59.47) v1(42.9,59.98) v1(42.9,59.47)
+3.0V: length 209.6
  Top w0.127: U2701.1 91.15,88.88 91.8,88.23 U2701.5 v1(92.81,88.23) ; R2407.1 R2402.1 47.76,52.6 v1(47.75,52.59) ; 87.38,13.69 87.38,13.58 87.36,13.56 U2302.6 ; 87.38,13.69 87.38,13.28 87.16,13.06 U2302.5 ; 87.38,13.69 87.38,14.36 ; L2401.2 47.07,60.95 v1(46.76,60.64) ; 90.35,74.83 91.23,74.83 91.88,74.18 v1(92.82,74.18) ; R2709.1 v1(64.97,90.97) ; 90.35,71.99 91.23,71.99 91.88,71.34 v1(92.82,71.34) ; U902.7 39.09,56.68 39.09,56.68 ; v1(28.78,72) 28.78,72 C2908.1 ; U2709.3 60.1,86.14 v1(60.1,86.14) ; U702.6 8.87,36.71 9.13,36.45 9.79,36.45 9.92,36.57 9.92,37.09 9.91,37.1 9.88,37.1 9.87,37.11 U702.8 10.9,37.65 ; 10.9,37.65 C703.1 ; 10.9,37.65 11.2,37.65 v1(11.2,37.66) ; C601.1 6.5,44.48 v1(6.5,44.49) ; 10.9,54.67 10.9,54.83 10.9,54.83 C503.1 ; 10.9,54.67 10.89,54.67 U502.8 9.87,54.08 9.73,53.94 v1(9.45,53.94) 9.37,54.02 U502.7 ; 10.9,54.67 v1(11.23,54.67) ; C1502.1 94.65,39.1 J1501.2 ; 90.35,69.19 91.23,69.19 91.88,68.54 v1(92.82,68.54) ; 90.35,77.62 91.23,77.62 91.88,76.97 v1(92.82,76.97) ; R2202.1 22.77,39.88 22.68,39.97 22.68,40.25 22.6,40.33 22.32,40.33 22.11,40.54 C2204.1 21.25,40.87 v1(21.23,40.86) ; v1(29.31,43.47) 29.31,43.83 29.56,44.07 R2023.1 R2022.1 ; 87.38,14.36 87.18,14.56 U2302.8 ; 87.38,14.36 C2305.1 88.48,14.36 v1(88.49,14.36) ; 87.38,14.36 87.38,14.06 U2302.7 ; 39.09,56.68 39.37,56.68 v1(39.42,56.73) 39.59,56.9 U902.8 39.84,57.38 40,57.54 40,58.05 40.23,58.28 C903.1 ; 39.09,56.68 38.76,56.68 38.59,56.85 U902.6 ; U2708.5 62.14,91.87 61.93,91.66 61.93,90.67 62.18,90.41 C2708.1 62.86,89.95 v1(62.87,89.95) ; v1(92.82,82.61) 91.88,82.61 91.23,83.26 90.35,83.26 ; 90.35,86.08 91.23,86.08 91.88,85.43 v1(92.82,85.43) ; v1(60.05,91.22) 60.05,91.22 U2708.3 ; v1(10.06,47.03) 9.68,46.65 7.04,46.65 5.99,47.7 U501.D1 ; v1(38.23,76.44) 38.2,76.42 C2903.1 ; U2709.5 62.06,86.79 61.93,86.65 61.93,85.56 62.18,85.3 C2709.1 62.81,84.87 v1(62.81,84.87) ; D601.2 4.18,41.89 v1(4.19,41.9) ; C2904.1 v1(32.05,76.42) ; v1(18.44,36.11) C2202.1 C2205.1 ; v1(35.71,26.35) 35.72,26.36 C1601.1 ; 90.35,80.44 91.23,80.44 91.88,79.79 v1(92.82,79.79) ; v1(34.29,59.45) 34.55,59.71 R803.2 ; R2021.1 R2024.1 27.34,55.11 v1(27.33,55.11) ; 90.35,60.76 91.23,60.76 91.88,60.11 v1(92.82,60.11) ; U501.B1 4.93,47.29 4.58,46.94 C502.1 v1(4.06,46.44) ; v1(46.51,57.75) 46.46,57.8 C2404.1 ; R2710.1 v1(64.97,85.97) ; U501.B3 4.93,48.85 v1(4.83,48.96) ; v1(92.82,62.9) 91.88,62.9 91.23,63.55 90.35,63.55 ; U701.B1 4.93,30.32 4.58,29.97 C702.1 3.91,29.45 v1(3.89,29.43) ; R1407.1 v1(23.47,84.19) ; U1301.B3 58.52,13.75 v1(58.32,13.55) 58.12,13.75 U1301.C3 ; D401.2 v1(4.19,58.89) ; C1001.1 63.92,64.36 v1(63.91,64.35) ; 90.35,66.4 91.23,66.4 91.88,65.75 v1(92.82,65.75) ; v1(9.04,47.03) 8.86,47.21 R407.2 ; C2907.1 34.89,72.01 v1(34.87,72.02) ; C401.1 v1(6.5,61.48) ; U1102.5 61.89,63.09 62.04,63.24 62.04,63.71 61.79,63.96 60.82,63.96 v1(60.69,63.83) 60.39,63.52 U1102.8 59.65,62.43 59.35,62.14 C1103.1 57.91,61.53 v1(57.91,61.53) ; U1301.B1 58.52,15.25 58.87,15.6 C1302.1 v1(59.56,16.12) ; C2103.1 75.17,7.09 v1(75.41,6.85)